# Altium PCB 宠物机器人&导购机器人.PcbDoc (part 10 of 14) (continued)
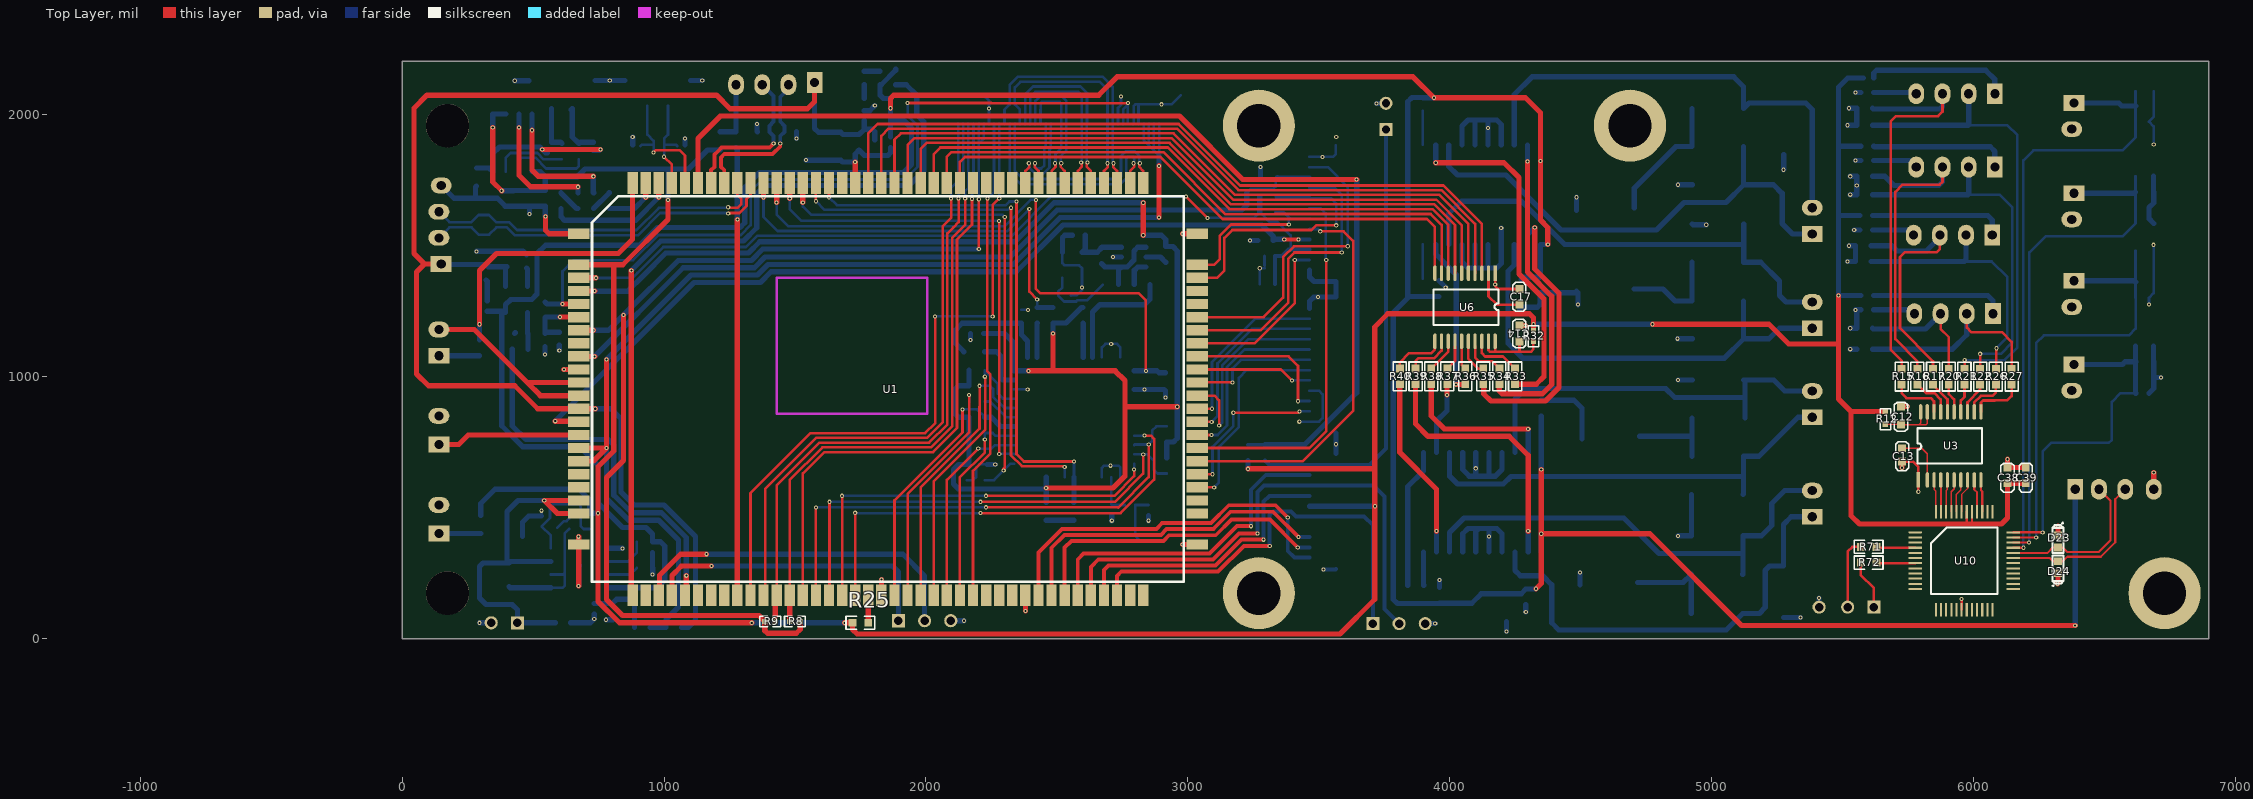
[diagram p0: Top Layer view]
## Free pads (board coordinates) (continued)
1(-1216.03,-383.11) 1(-1216.03,-383.11) 1(-1216.03,-383.11) 1(-1216.03,-383.11) 1(-1216.03,-383.11) 1(-1216.02,-384.24) 1(-1216.02,-384.24) 1(-1216.02,-384.24) 1(-1216.02,-384.24) 1(-1216.02,-384.24) 1(-1216.02,-384.24) 1(-1216.02,-385.07) 1(-1216.02,-385.07) 1(-1216.02,-385.07) 1(-1216.02,-383.39) 1(-1216.02,-383.39) 1(-1216.02,-383.39) 1(-1216.02,-383.39) 1(-1216.02,-383.39) 1(-1216.02,-383.39) 1(-1216.02,-383.1) 1(-1216.02,-383.1) 1(-1216.02,-383.1) 1(-1216.02,-383.1) 1(-1216.02,-383.1) 1(-1216.02,-383.1) 1(-1216.01,-383.86) 1(-1216.01,-383.86) 1(-1216.01,-383.86) 1(-1216,-383.39) 1(-1216,-383.39) 1(-1216,-383.39) 1(-1216,-383.39) 1(-1216,-383.39) 1(-1216,-383.39) 1(-1216,-383.09) 1(-1216,-383.09) 1(-1216,-383.09) 1(-1216,-383.09) 1(-1216,-383.09) 1(-1216,-383.09) 1(-1216,-384.21) 1(-1216,-384.21) 1(-1216,-384.21) 1(-1216,-384.21) 1(-1216,-384.21) 1(-1216,-384.21) 1(-1216,-384.2) 1(-1216,-384.2) 1(-1216,-384.2) 1(-1216,-384.03) 1(-1216,-384.03) 1(-1216,-384.03) 1(-1216,-384.03) 1(-1216,-384.03) 1(-1216,-384.03) 1(-1216,-384.02) 1(-1216,-384.02) 1(-1216,-384.02) 1(-1216,-384.02) 1(-1216,-384.02) 1(-1216,-384.02) 1(-1216,-383.93) 1(-1216,-383.93) 1(-1216,-383.93) 1(-1216,-385.04) 1(-1216,-385.04) 1(-1216,-385.04) 1(-1216,-384.24) 1(-1216,-384.24) 1(-1216,-384.24) 1(-1216,-384.24) 1(-1216,-384.24) 1(-1216,-384.24) 1(-1215.99,-384.04) 1(-1215.99,-384.04) 1(-1215.99,-384.04) 1(-1215.99,-384.04) 1(-1215.99,-384.04) 1(-1215.99,-384.04) 1(-1215.99,-383.38) 1(-1215.99,-383.38) 1(-1215.99,-383.38) 1(-1215.99,-383.38) 1(-1215.99,-383.38) 1(-1215.99,-383.38) 1(-1215.99,-383.3) 1(-1215.99,-383.3) 1(-1215.99,-383.3) 1(-1215.99,-383.3) 1(-1215.99,-383.3) 1(-1215.99,-383.3) 1(-1215.98,-383.3) 1(-1215.98,-383.3) 1(-1215.98,-383.3) 1(-1215.98,-383.89) 1(-1215.98,-383.89) 1(-1215.98,-383.89) 1(-1215.98,-383.89) 1(-1215.98,-383.89) 1(-1215.98,-383.89) 1(-1215.98,-384.16) 1(-1215.98,-384.16) 1(-1215.98,-384.16) 1(-1215.98,-384.16) 1(-1215.98,-384.16) 1(-1215.98,-384.16) 1(-1215.97,-384.24) 1(-1215.97,-384.24) 1(-1215.97,-384.24) 1(-1215.97,-384.24) 1(-1215.97,-384.24) 1(-1215.97,-384.24) 1(-1215.97,-384.27) 1(-1215.97,-384.27) 1(-1215.97,-384.27) 1(-1215.97,-383.27) 1(-1215.97,-383.27) 1(-1215.97,-383.27) 1(-1215.97,-383.93) 1(-1215.97,-383.93) 1(-1215.97,-383.93) 1(-1215.97,-383.93) 1(-1215.97,-383.93) 1(-1215.97,-383.93) 1(-1215.96,-385) 1(-1215.96,-385) 1(-1215.96,-385) 1(-1215.96,-385) 1(-1215.96,-385) 1(-1215.96,-385) 1(-1215.96,-384.2) 1(-1215.96,-384.2) 1(-1215.96,-384.2) 1(-1215.96,-384.2) 1(-1215.96,-384.2) 1(-1215.96,-384.2) 1(-1215.96,-384.17) 1(-1215.96,-384.17) 1(-1215.96,-384.17) 1(-1215.96,-384.17) 1(-1215.96,-384.17) 1(-1215.96,-384.17) 1(-1215.96,-384.11) 1(-1215.96,-384.11) 1(-1215.96,-384.11) 1(-1215.96,-383.37) 1(-1215.96,-383.37) 1(-1215.96,-383.37) 1(-1215.96,-383.37) 1(-1215.96,-383.37) 1(-1215.96,-383.37) 1(-1215.96,-383.32) 1(-1215.96,-383.32) 1(-1215.96,-383.32) 1(-1215.96,-384.99) 1(-1215.96,-384.99) 1(-1215.96,-384.99) 1(-1215.96,-384.99) 1(-1215.96,-384.99) 1(-1215.96,-384.99) 1(-1215.96,-384.95) 1(-1215.96,-384.95) 1(-1215.96,-384.95) 1(-1215.96,-384.95) 1(-1215.96,-384.95) 1(-1215.96,-384.95) 1(-1215.96,-384.95) 1(-1215.96,-384.95) 1(-1215.96,-384.95) 1(-1215.96,-384.95) 1(-1215.96,-384.95) 1(-1215.96,-384.95) 1(-1215.96,-384.88) 1(-1215.96,-384.88) 1(-1215.96,-384.88) 1(-1215.96,-384.88) 1(-1215.96,-384.88) 1(-1215.96,-384.88) 1(-1215.96,-384.84) 1(-1215.96,-384.84) 1(-1215.96,-384.84) 1(-1215.96,-384.84) 1(-1215.96,-384.84) 1(-1215.96,-384.84) 1(-1215.96,-383.29) 1(-1215.96,-383.29) 1(-1215.96,-383.29) 1(-1215.96,-383.29) 1(-1215.96,-383.29) 1(-1215.96,-383.29) 1(-1215.96,-383.28) 1(-1215.96,-383.28) 1(-1215.96,-383.28) 1(-1215.96,-383.28) 1(-1215.96,-383.28) 1(-1215.96,-383.28) 1(-1215.95,-383.41) 1(-1215.95,-383.41) 1(-1215.95,-383.41) 1(-1215.95,-383.41) 1(-1215.95,-383.41) 1(-1215.95,-383.41) 1(-1215.95,-383.86) 1(-1215.95,-383.86) 1(-1215.95,-383.86) 1(-1215.95,-383.86) 1(-1215.95,-383.86) 1(-1215.95,-383.86) 1(-1215.95,-383.82) 1(-1215.95,-383.82) 1(-1215.95,-383.82) 1(-1215.95,-383.82) 1(-1215.95,-383.82) 1(-1215.95,-383.82) 1(-1215.94,-383.39) 1(-1215.94,-383.39) 1(-1215.94,-383.39) 1(-1215.94,-383.39) 1(-1215.94,-383.39) 1(-1215.94,-383.39) 1(-1215.94,-384.83) 1(-1215.94,-384.83) 1(-1215.94,-384.83) 1(-1215.94,-384.83) 1(-1215.94,-384.83) 1(-1215.94,-384.83) 1(-1215.94,-383.24) 1(-1215.94,-383.24) 1(-1215.94,-383.24) 1(-1215.94,-384.24) 1(-1215.94,-384.24) 1(-1215.94,-384.24) 1(-1215.94,-384.24) 1(-1215.94,-384.24) 1(-1215.94,-384.24) 1(-1215.94,-383.34) 1(-1215.94,-383.34) 1(-1215.94,-383.34) 1(-1215.94,-384.04) 1(-1215.94,-384.04) 1(-1215.94,-384.04) 1(-1215.94,-384) 1(-1215.94,-384) 1(-1215.94,-384) 1(-1215.94,-384) 1(-1215.94,-384) 1(-1215.94,-384) 1(-1215.94,-384) 1(-1215.94,-384) 1(-1215.94,-384) 1(-1215.94,-384) 1(-1215.94,-384) 1(-1215.94,-384) 1(-1215.94,-383.96) 1(-1215.94,-383.96) 1(-1215.94,-383.96) 1(-1215.94,-383.96) 1(-1215.94,-383.96) 1(-1215.94,-383.96) 1(-1215.94,-383.92) 1(-1215.94,-383.92) 1(-1215.94,-383.92) 1(-1215.94,-383.28) 1(-1215.94,-383.28) 1(-1215.94,-383.28) 1(-1215.94,-383.28) 1(-1215.94,-383.28) 1(-1215.94,-383.28) 1(-1215.94,-383.25) 1(-1215.94,-383.25) 1(-1215.94,-383.25) 1(-1215.94,-383.25) 1(-1215.94,-383.25) 1(-1215.94,-383.25) 1(-1215.93,-383.31) 1(-1215.93,-383.31) 1(-1215.93,-383.31) 1(-1215.93,-383.31) 1(-1215.93,-383.31) 1(-1215.93,-383.31) 1(-1215.92,-383.29) 1(-1215.92,-383.29) 1(-1215.92,-383.29) 1(-1215.92,-383.29) 1(-1215.92,-383.29) 1(-1215.92,-383.29) 1(-1215.92,-384.83) 1(-1215.92,-384.83) 1(-1215.92,-384.83) 1(-1215.92,-384.83) 1(-1215.92,-384.83) 1(-1215.92,-384.83) 1(-1215.92,-384.95) 1(-1215.92,-384.95) 1(-1215.92,-384.95) 1(-1215.92,-384.95) 1(-1215.92,-384.95) 1(-1215.92,-384.95) 1(-1215.92,-384.88) 1(-1215.92,-384.88) 1(-1215.92,-384.88) 1(-1215.92,-385) 1(-1215.92,-385) 1(-1215.92,-385) 1(-1215.92,-384.95) 1(-1215.92,-384.95) 1(-1215.92,-384.95) 1(-1215.92,-384.95) 1(-1215.92,-384.95) 1(-1215.92,-384.95) 1(-1215.92,-384.95) 1(-1215.92,-384.95) 1(-1215.92,-384.95) 1(-1215.92,-384.95) 1(-1215.92,-384.95) 1(-1215.92,-384.95) 1(-1215.92,-383.34) 1(-1215.92,-383.34) 1(-1215.92,-383.34) 1(-1215.92,-383.34) 1(-1215.92,-383.34) 1(-1215.92,-383.34) 1(-1215.92,-383.34) 1(-1215.92,-383.34) 1(-1215.92,-383.34) 1(-1215.91,-384.2) 1(-1215.91,-384.2) 1(-1215.91,-384.2) 1(-1215.91,-384.2) 1(-1215.91,-384.2) 1(-1215.91,-384.2) 1(-1215.91,-384.27) 1(-1215.91,-384.27) 1(-1215.91,-384.27) 1(-1215.91,-384.11) 1(-1215.91,-384.11) 1(-1215.91,-384.11) 1(-1215.91,-384.11) 1(-1215.91,-384.11) 1(-1215.91,-384.11) 1(-1215.9,-384) 1(-1215.9,-384) 1(-1215.9,-384) 1(-1215.9,-384) 1(-1215.9,-384) 1(-1215.9,-384) 1(-1215.9,-383.95) 1(-1215.9,-383.95) 1(-1215.9,-383.95) 1(-1215.9,-383.95) 1(-1215.9,-383.95) 1(-1215.9,-383.95) 1(-1215.9,-384.83) 1(-1215.9,-384.83) 1(-1215.9,-384.83) 1(-1215.9,-384.83) 1(-1215.9,-384.83) 1(-1215.9,-384.83) 1(-1215.9,-384.12) 1(-1215.9,-384.12) 1(-1215.9,-384.12) 1(-1215.9,-384.12) 1(-1215.9,-384.12) 1(-1215.9,-384.12) 1(-1215.9,-384.04) 1(-1215.9,-384.04) 1(-1215.9,-384.04) 1(-1215.9,-384.04) 1(-1215.9,-384.04) 1(-1215.9,-384.04) 1(-1215.89,-384.18) 1(-1215.89,-384.18) 1(-1215.89,-384.18) 1(-1215.89,-383.14) 1(-1215.89,-383.14) 1(-1215.89,-383.14) 1(-1215.89,-384) 1(-1215.89,-384) 1(-1215.89,-384) 1(-1215.89,-384) 1(-1215.89,-384) 1(-1215.89,-384) 1(-1215.89,-383.85) 1(-1215.89,-383.85) 1(-1215.89,-383.85) 1(-1215.89,-383.85) 1(-1215.89,-383.85) 1(-1215.89,-383.85) 1(-1215.89,-384.88) 1(-1215.89,-384.88) 1(-1215.89,-384.88) 1(-1215.89,-384.84) 1(-1215.89,-384.84) 1(-1215.89,-384.84) 1(-1215.89,-384.84) 1(-1215.89,-384.84) 1(-1215.89,-384.84) 1(-1215.87,-383.99) 1(-1215.87,-383.99) 1(-1215.87,-383.99) 1(-1215.87,-383.99) 1(-1215.87,-383.99) 1(-1215.87,-383.99) 1(-1215.87,-383.84) 1(-1215.87,-383.84) 1(-1215.87,-383.84) 1(-1215.87,-383.84) 1(-1215.87,-383.84) 1(-1215.87,-383.84) 1(-1215.87,-384.06) 1(-1215.87,-384.06) 1(-1215.87,-384.06) 1(-1215.87,-384.04) 1(-1215.87,-384.04) 1(-1215.87,-384.04) 1(-1215.87,-384.04) 1(-1215.87,-384.04) 1(-1215.87,-384.04) 1(-1215.86,-383.14) 1(-1215.86,-383.14) 1(-1215.86,-383.14) 1(-1215.86,-383.14) 1(-1215.86,-383.14) 1(-1215.86,-383.14) 1(-1215.86,-383.98) 1(-1215.86,-383.98) 1(-1215.86,-383.98) 1(-1215.86,-383.98) 1(-1215.86,-383.98) 1(-1215.86,-383.98) 1(-1215.86,-383.83) 1(-1215.86,-383.83) 1(-1215.86,-383.83) 1(-1215.86,-383.83) 1(-1215.86,-383.83) 1(-1215.86,-383.83) 1(-1215.86,-383.34) 1(-1215.86,-383.34) 1(-1215.86,-383.34) 1(-1215.85,-384.46) 1(-1215.85,-384.46) 1(-1215.85,-384.46) 1(-1215.85,-384.46) 1(-1215.85,-384.46) 1(-1215.85,-384.46) 1(-1215.85,-384.44) 1(-1215.85,-384.44) 1(-1215.85,-384.44) 1(-1215.85,-383.14) 1(-1215.85,-383.14) 1(-1215.85,-383.14) 1(-1215.85,-384.18) 1(-1215.85,-384.18) 1(-1215.85,-384.18) 1(-1215.85,-384.18) 1(-1215.85,-384.18) 1(-1215.85,-384.18) 1(-1215.85,-384.04) 1(-1215.85,-384.04) 1(-1215.85,-384.04) 1(-1215.85,-384.04) 1(-1215.85,-384.04) 1(-1215.85,-384.04) 1(-1215.84,-384.47) 1(-1215.84,-384.47) 1(-1215.84,-384.47) 1(-1215.84,-384.47) 1(-1215.84,-384.47) 1(-1215.84,-384.47) 1(-1215.84,-383.26) 1(-1215.84,-383.26) 1(-1215.84,-383.26) 1(-1215.84,-383.26) 1(-1215.84,-383.26) 1(-1215.84,-383.26) 1(-1215.84,-383.39) 1(-1215.84,-383.39) 1(-1215.84,-383.39) 1(-1215.84,-383.39) 1(-1215.84,-383.39) 1(-1215.84,-383.39) 1(-1215.84,-383.98) 1(-1215.84,-383.98) 1(-1215.84,-383.98) 1(-1215.84,-383.98) 1(-1215.84,-383.98) 1(-1215.84,-383.98) 1(-1215.84,-383.83) 1(-1215.84,-383.83) 1(-1215.84,-383.83) 1(-1215.84,-383.83) 1(-1215.84,-383.83) 1(-1215.84,-383.83) 1(-1215.84,-383.26) 1(-1215.84,-383.26) 1(-1215.84,-383.26) 1(-1215.84,-383.26) 1(-1215.84,-383.26) 1(-1215.84,-383.26) 1(-1215.83,-384.83) 1(-1215.83,-384.83) 1(-1215.83,-384.83) 1(-1215.83,-384.79) 1(-1215.83,-384.79) 1(-1215.83,-384.79) 1(-1215.83,-384.76) 1(-1215.83,-384.76) 1(-1215.83,-384.76) 1(-1215.83,-384.72) 1(-1215.83,-384.72) 1(-1215.83,-384.72) 1(-1215.83,-384.72) 1(-1215.83,-384.72) 1(-1215.83,-384.72) 1(-1215.83,-384.72) 1(-1215.83,-384.72) 1(-1215.83,-384.72) 1(-1215.83,-384.47) 1(-1215.83,-384.47) 1(-1215.83,-384.47) 1(-1215.83,-384.47) 1(-1215.83,-384.47) 1(-1215.83,-384.47) 1(-1215.83,-383.41) 1(-1215.83,-383.41) 1(-1215.83,-383.41) 1(-1215.83,-383.41) 1(-1215.83,-383.41) 1(-1215.83,-383.41) 1(-1215.83,-384.17) 1(-1215.83,-384.17) 1(-1215.83,-384.17) 1(-1215.83,-384.17) 1(-1215.83,-384.17) 1(-1215.83,-384.17) 1(-1215.83,-384.03) 1(-1215.83,-384.03) 1(-1215.83,-384.03) 1(-1215.83,-384.03) 1(-1215.83,-384.03) 1(-1215.83,-384.03) 1(-1215.83,-384.54) 1(-1215.83,-384.54) 1(-1215.83,-384.54) 1(-1215.83,-383.38) 1(-1215.83,-383.38) 1(-1215.83,-383.38) 1(-1215.83,-383.38) 1(-1215.83,-383.38) 1(-1215.83,-383.38) 1(-1215.83,-383.36) 1(-1215.83,-383.36) 1(-1215.83,-383.36) 1(-1215.83,-383.36) 1(-1215.83,-383.36) 1(-1215.83,-383.36) 1(-1215.83,-383.19) 1(-1215.83,-383.19) 1(-1215.83,-383.19) 1(-1215.83,-383.19) 1(-1215.83,-383.19) 1(-1215.83,-383.19) 1(-1215.83,-383.14) 1(-1215.83,-383.14) 1(-1215.83,-383.14) 1(-1215.83,-383.29) 1(-1215.83,-383.29) 1(-1215.83,-383.29) 1(-1215.83,-383.29) 1(-1215.83,-383.29) 1(-1215.83,-383.29) 1(-1215.82,-383.24) 1(-1215.82,-383.24) 1(-1215.82,-383.24) 1(-1215.82,-383.24) 1(-1215.82,-383.24) 1(-1215.82,-383.24) 1(-1215.82,-383.19) 1(-1215.82,-383.19) 1(-1215.82,-383.19) 1(-1215.82,-383.19) 1(-1215.82,-383.19) 1(-1215.82,-383.19) 1(-1215.82,-383.26) 1(-1215.82,-383.26) 1(-1215.82,-383.26) 1(-1215.82,-383.26) 1(-1215.82,-383.26) 1(-1215.82,-383.26) 1(-1215.82,-383.97) 1(-1215.82,-383.97) 1(-1215.82,-383.97) 1(-1215.82,-383.97) 1(-1215.82,-383.97) 1(-1215.82,-383.97) 1(-1215.82,-383.81) 1(-1215.82,-383.81) 1(-1215.82,-383.81) 1(-1215.82,-383.81) 1(-1215.82,-383.81) 1(-1215.82,-383.81) 1(-1215.82,-383.31) 1(-1215.82,-383.31) 1(-1215.82,-383.31) 1(-1215.82,-383.31) 1(-1215.82,-383.31) 1(-1215.82,-383.31) 1(-1215.82,-384.16) 1(-1215.82,-384.16) 1(-1215.82,-384.16) 1(-1215.82,-384.16) 1(-1215.82,-384.16) 1(-1215.82,-384.16) 1(-1215.82,-384.02) 1(-1215.82,-384.02) 1(-1215.82,-384.02) 1(-1215.82,-384.02) 1(-1215.82,-384.02) 1(-1215.82,-384.02) 1(-1215.82,-383.28) 1(-1215.82,-383.28) 1(-1215.82,-383.28) 1(-1215.82,-383.28) 1(-1215.82,-383.28) 1(-1215.82,-383.28) 1(-1215.82,-383.27) 1(-1215.82,-383.27) 1(-1215.82,-383.27) 1(-1215.82,-383.27) 1(-1215.82,-383.27) 1(-1215.82,-383.27) 1(-1215.81,-383.39) 1(-1215.81,-383.39) 1(-1215.81,-383.39) 1(-1215.81,-383.39) 1(-1215.81,-383.39) 1(-1215.81,-383.39) 1(-1215.81,-383.37) 1(-1215.81,-383.37) 1(-1215.81,-383.37) 1(-1215.81,-383.37) 1(-1215.81,-383.37) 1(-1215.81,-383.37) 1(-1215.81,-383.96) 1(-1215.81,-383.96) 1(-1215.81,-383.96) 1(-1215.81,-383.96) 1(-1215.81,-383.96) 1(-1215.81,-383.96) 1(-1215.81,-383.81) 1(-1215.81,-383.81) 1(-1215.81,-383.81) 1(-1215.81,-383.81) 1(-1215.81,-383.81) 1(-1215.81,-383.81) 1(-1215.81,-383.55) 1(-1215.81,-383.55) 1(-1215.81,-383.55) 1(-1215.81,-383.55) 1(-1215.81,-383.55) 1(-1215.81,-383.55) 1(-1215.81,-383.51) 1(-1215.81,-383.51) 1(-1215.81,-383.51) 1(-1215.81,-383.45) 1(-1215.81,-383.45) 1(-1215.81,-383.45) 1(-1215.81,-383.42) 1(-1215.81,-383.42) 1(-1215.81,-383.42) 1(-1215.81,-383.42) 1(-1215.81,-383.42) 1(-1215.81,-383.42) 1(-1215.8,-383.23) 1(-1215.8,-383.23) 1(-1215.8,-383.23) 1(-1215.8,-383.23) 1(-1215.8,-383.23) 1(-1215.8,-383.23) 1(-1215.8,-383.19) 1(-1215.8,-383.19) 1(-1215.8,-383.19) 1(-1215.8,-383.19) 1(-1215.8,-383.19) 1(-1215.8,-383.19) 1(-1215.8,-384.83) 1(-1215.8,-384.83) 1(-1215.8,-384.83) 1(-1215.8,-384.83) 1(-1215.8,-384.83) 1(-1215.8,-384.83) 1(-1215.8,-383.19) 1(-1215.8,-383.19) 1(-1215.8,-383.19) 1(-1215.8,-383.19) 1(-1215.8,-383.19) 1(-1215.8,-383.19) 1(-1215.8,-383.14) 1(-1215.8,-383.14) 1(-1215.8,-383.14) 1(-1215.8,-384.14) 1(-1215.8,-384.14) 1(-1215.8,-384.14) 1(-1215.8,-384.14) 1(-1215.8,-384.14) 1(-1215.8,-384.14) 1(-1215.8,-384.02) 1(-1215.8,-384.02) 1(-1215.8,-384.02) 1(-1215.8,-384.02) 1(-1215.8,-384.02) 1(-1215.8,-384.02) 1(-1215.8,-383.29) 1(-1215.8,-383.29) 1(-1215.8,-383.29) 1(-1215.8,-383.29) 1(-1215.8,-383.29) 1(-1215.8,-383.29) 1(-1215.8,-383.27) 1(-1215.8,-383.27) 1(-1215.8,-383.27) 1(-1215.8,-383.27) 1(-1215.8,-383.27) 1(-1215.8,-383.27) 1(-1215.79,-384.26) 1(-1215.79,-384.26) 1(-1215.79,-384.26) 1(-1215.79,-384.24) 1(-1215.79,-384.24) 1(-1215.79,-384.24) 1(-1215.79,-384.24) 1(-1215.79,-384.24) 1(-1215.79,-384.24) 1(-1215.79,-383.96) 1(-1215.79,-383.96) 1(-1215.79,-383.96) 1(-1215.79,-383.96) 1(-1215.79,-383.96) 1(-1215.79,-383.96) 1(-1215.79,-383.8) 1(-1215.79,-383.8) 1(-1215.79,-383.8) 1(-1215.79,-383.8) 1(-1215.79,-383.8) 1(-1215.79,-383.8) 1(-1215.79,-384.72) 1(-1215.79,-384.72) 1(-1215.79,-384.72) 1(-1215.79,-383.27) 1(-1215.79,-383.27) 1(-1215.79,-383.27) 1(-1215.79,-383.27) 1(-1215.79,-383.27) 1(-1215.79,-383.27) 1(-1215.79,-384.76) 1(-1215.79,-384.76) 1(-1215.79,-384.76) 1(-1215.79,-384.76) 1(-1215.79,-384.76) 1(-1215.79,-384.76) 1(-1215.79,-383.4) 1(-1215.79,-383.4) 1(-1215.79,-383.4) 1(-1215.79,-383.4) 1(-1215.79,-383.4) 1(-1215.79,-383.4) 1(-1215.78,-384.13) 1(-1215.78,-384.13) 1(-1215.78,-384.13) 1(-1215.78,-384.13) 1(-1215.78,-384.13) 1(-1215.78,-384.13) 1(-1215.78,-384.01) 1(-1215.78,-384.01) 1(-1215.78,-384.01) 1(-1215.78,-384.01) 1(-1215.78,-384.01) 1(-1215.78,-384.01) 1(-1215.78,-383.34) 1(-1215.78,-383.34) 1(-1215.78,-383.34) 1(-1215.78,-383.27) 1(-1215.78,-383.27) 1(-1215.78,-383.27) 1(-1215.78,-383.27) 1(-1215.78,-383.27) 1(-1215.78,-383.27) 1(-1215.78,-384.23) 1(-1215.78,-384.23) 1(-1215.78,-384.23) 1(-1215.78,-384.23) 1(-1215.78,-384.23) 1(-1215.78,-384.23) 1(-1215.78,-384.23) 1(-1215.78,-384.23) 1(-1215.78,-384.23) 1(-1215.78,-384.23) 1(-1215.78,-384.23) 1(-1215.78,-384.23) 1(-1215.78,-384.74) 1(-1215.78,-384.74) 1(-1215.78,-384.74) 1(-1215.78,-384.74) 1(-1215.78,-384.74) 1(-1215.78,-384.74) 1(-1215.78,-383.26) 1(-1215.78,-383.26) 1(-1215.78,-383.26) 1(-1215.78,-383.26) 1(-1215.78,-383.26) 1(-1215.78,-383.26) 1(-1215.78,-383.26) 1(-1215.78,-383.26) 1(-1215.78,-383.26) 1(-1215.78,-383.19) 1(-1215.78,-383.19) 1(-1215.78,-383.19) 1(-1215.78,-383.19) 1(-1215.78,-383.19) 1(-1215.78,-383.19) 1(-1215.78,-383.14) 1(-1215.78,-383.14) 1(-1215.78,-383.14) 1(-1215.78,-383.95) 1(-1215.78,-383.95) 1(-1215.78,-383.95) 1(-1215.78,-383.95) 1(-1215.78,-383.95) 1(-1215.78,-383.95) 1(-1215.78,-383.79) 1(-1215.78,-383.79) 1(-1215.78,-383.79) 1(-1215.78,-383.79) 1(-1215.78,-383.79) 1(-1215.78,-383.79) 1(-1215.78,-383.58) 1(-1215.78,-383.58) 1(-1215.78,-383.58) 1(-1215.78,-383.58) 1(-1215.78,-383.58) 1(-1215.78,-383.58) 1(-1215.78,-383.4) 1(-1215.78,-383.4) 1(-1215.78,-383.4) 1(-1215.78,-383.4) 1(-1215.78,-383.4) 1(-1215.78,-383.4) 1(-1215.78,-383.2) 1(-1215.78,-383.2) 1(-1215.78,-383.2) 1(-1215.77,-384.31) 1(-1215.77,-384.31) 1(-1215.77,-384.31) 1(-1215.77,-384.24) 1(-1215.77,-384.24) 1(-1215.77,-384.24) 1(-1215.77,-384.24) 1(-1215.77,-384.24) 1(-1215.77,-384.24) 1(-1215.77,-384.21) 1(-1215.77,-384.21) 1(-1215.77,-384.21) 1(-1215.77,-384.11) 1(-1215.77,-384.11) 1(-1215.77,-384.11) 1(-1215.77,-384.11) 1(-1215.77,-384.11) 1(-1215.77,-384.11) 1(-1215.77,-384) 1(-1215.77,-384) 1(-1215.77,-384) 1(-1215.77,-384) 1(-1215.77,-384) 1(-1215.77,-384) 1(-1215.77,-384.86) 1(-1215.77,-384.86) 1(-1215.77,-384.86) 1(-1215.77,-384.47) 1(-1215.77,-384.47) 1(-1215.77,-384.47) 1(-1215.77,-384.47) 1(-1215.77,-384.47) 1(-1215.77,-384.47) 1(-1215.76,-384.79) 1(-1215.76,-384.79) 1(-1215.76,-384.79) 1(-1215.76,-384.79) 1(-1215.76,-384.79) 1(-1215.76,-384.79) 1(-1215.76,-383.94) 1(-1215.76,-383.94) 1(-1215.76,-383.94) 1(-1215.76,-383.94) 1(-1215.76,-383.94) 1(-1215.76,-383.94) 1(-1215.76,-383.79) 1(-1215.76,-383.79) 1(-1215.76,-383.79) 1(-1215.76,-383.79) 1(-1215.76,-383.79) 1(-1215.76,-383.79) 1(-1215.76,-384.54) 1(-1215.76,-384.54) 1(-1215.76,-384.54) 1(-1215.76,-384.48) 1(-1215.76,-384.48) 1(-1215.76,-384.48) 1(-1215.76,-383.7) 1(-1215.76,-383.7) 1(-1215.76,-383.7) 1(-1215.76,-383.7) 1(-1215.76,-383.7) 1(-1215.76,-383.7) 1(-1215.75,-384.8) 1(-1215.75,-384.8) 1(-1215.75,-384.8) 1(-1215.75,-384.8) 1(-1215.75,-384.8) 1(-1215.75,-384.8) 1(-1215.75,-384.74) 1(-1215.75,-384.74) 1(-1215.75,-384.74) 1(-1215.75,-384.74) 1(-1215.75,-384.74) 1(-1215.75,-384.74) 1(-1215.75,-384.72) 1(-1215.75,-384.72) 1(-1215.75,-384.72) 1(-1215.75,-384.72) 1(-1215.75,-384.72) 1(-1215.75,-384.72) 1(-1215.75,-384.09) 1(-1215.75,-384.09) 1(-1215.75,-384.09) 1(-1215.75,-384.09) 1(-1215.75,-384.09) 1(-1215.75,-384.09) 1(-1215.75,-384) 1(-1215.75,-384) 1(-1215.75,-384) 1(-1215.75,-384) 1(-1215.75,-384) 1(-1215.75,-384) 1(-1215.75,-384.16) 1(-1215.75,-384.16) 1(-1215.75,-384.16) 1(-1215.75,-383.68) 1(-1215.75,-383.68) 1(-1215.75,-383.68) 1(-1215.75,-383.68) 1(-1215.75,-383.68) 1(-1215.75,-383.68) 1(-1215.75,-383.46) 1(-1215.75,-383.46) 1(-1215.75,-383.46) 1(-1215.75,-383.4) 1(-1215.75,-383.4) 1(-1215.75,-383.4) 1(-1215.75,-384.36) 1(-1215.75,-384.36) 1(-1215.75,-384.36) 1(-1215.75,-384.19) 1(-1215.75,-384.19) 1(-1215.75,-384.19) 1(-1215.75,-384.19) 1(-1215.75,-384.19) 1(-1215.75,-384.19) 1(-1215.75,-383.58) 1(-1215.75,-383.58) 1(-1215.75,-383.58) 1(-1215.75,-383.58) 1(-1215.75,-383.58) 1(-1215.75,-383.58) 1(-1215.75,-383.52) 1(-1215.75,-383.52) 1(-1215.75,-383.52) 1(-1215.75,-383.7) 1(-1215.75,-383.7) 1(-1215.75,-383.7) 1(-1215.75,-383.7) 1(-1215.75,-383.7) 1(-1215.75,-383.7) 1(-1215.75,-384.84) 1(-1215.75,-384.84) 1(-1215.75,-384.84) 1(-1215.75,-384.81) 1(-1215.75,-384.81) 1(-1215.75,-384.81) 1(-1215.75,-384.81) 1(-1215.75,-384.81) 1(-1215.75,-384.81) 1(-1215.75,-383.52) 1(-1215.75,-383.52) 1(-1215.75,-383.52) 1(-1215.75,-383.52) 1(-1215.75,-383.52) 1(-1215.75,-383.52) 1(-1215.74,-383.67) 1(-1215.74,-383.67) 1(-1215.74,-383.67) 1(-1215.74,-383.67) 1(-1215.74,-383.67) 1(-1215.74,-383.67) 1(-1215.74,-384.71) 1(-1215.74,-384.71) 1(-1215.74,-384.71) 1(-1215.74,-384.71) 1(-1215.74,-384.71) 1(-1215.74,-384.71) 1(-1215.74,-383.65) 1(-1215.74,-383.65) 1(-1215.74,-383.65) 1(-1215.74,-383.65) 1(-1215.74,-383.65) 1(-1215.74,-383.65) 1(-1215.74,-383.68) 1(-1215.74,-383.68) 1(-1215.74,-383.68) 1(-1215.74,-383.68) 1(-1215.74,-383.68) 1(-1215.74,-383.68) 1(-1215.74,-383.91) 1(-1215.74,-383.91) 1(-1215.74,-383.91) 1(-1215.74,-383.79) 1(-1215.74,-383.79) 1(-1215.74,-383.79) 1(-1215.74,-383.79) 1(-1215.74,-383.79) 1(-1215.74,-383.79) 1(-1215.73,-383.34) 1(-1215.73,-383.34) 1(-1215.73,-383.34) 1(-1215.73,-383.34) 1(-1215.73,-383.34) 1(-1215.73,-383.34) 1(-1215.73,-383.31) 1(-1215.73,-383.31) 1(-1215.73,-383.31) 1(-1215.73,-383.31) 1(-1215.73,-383.31) 1(-1215.73,-383.31) 1(-1215.73,-384.12) 1(-1215.73,-384.12) 1(-1215.73,-384.12) 1(-1215.73,-384.07) 1(-1215.73,-384.07) 1(-1215.73,-384.07) 1(-1215.73,-384) 1(-1215.73,-384) 1(-1215.73,-384) 1(-1215.73,-384) 1(-1215.73,-384) 1(-1215.73,-384) 1(-1215.73,-384.71) 1(-1215.73,-384.71) 1(-1215.73,-384.71) 1(-1215.72,-383.58) 1(-1215.72,-383.58) 1(-1215.72,-383.58) 1(-1215.72,-383.58) 1(-1215.72,-383.58) 1(-1215.72,-383.58) 1(-1215.72,-383.34) 1(-1215.72,-383.34) 1(-1215.72,-383.34) 1(-1215.72,-383.26) 1(-1215.72,-383.26) 1(-1215.72,-383.26) 1(-1215.72,-383.98) 1(-1215.72,-383.98) 1(-1215.72,-383.98) 1(-1215.72,-383.98) 1(-1215.72,-383.98) 1(-1215.72,-383.98) 1(-1215.72,-383.98) 1(-1215.72,-383.98) 1(-1215.72,-383.98) 1(-1215.72,-383.98) 1(-1215.72,-383.98) 1(-1215.72,-383.98) 1(-1215.72,-383.26) 1(-1215.72,-383.26) 1(-1215.72,-383.26) 1(-1215.72,-383.26) 1(-1215.72,-383.26) 1(-1215.72,-383.26) 1(-1215.72,-383.76) 1(-1215.72,-383.76) 1(-1215.72,-383.76) 1(-1215.72,-383.76) 1(-1215.72,-383.76) 1(-1215.72,-383.76) 1(-1215.71,-383.46) 1(-1215.71,-383.46) 1(-1215.71,-383.46) 1(-1215.71,-383.46) 1(-1215.71,-383.46) 1(-1215.71,-383.46) 1(-1215.71,-383.67) 1(-1215.71,-383.67) 1(-1215.71,-383.67) 1(-1215.71,-383.96) 1(-1215.71,-383.96) 1(-1215.71,-383.96) 1(-1215.71,-383.79) 1(-1215.71,-383.79) 1(-1215.71,-383.79) 1(-1215.71,-383.79) 1(-1215.71,-383.79) 1(-1215.71,-383.79) 1(-1215.71,-383.76) 1(-1215.71,-383.76) 1(-1215.71,-383.76) 1(-1215.7,-383.74) 1(-1215.7,-383.74) 1(-1215.7,-383.74) 1(-1215.7,-383.74) 1(-1215.7,-383.74) 1(-1215.7,-383.74) 1(-1215.7,-383.74) 1(-1215.7,-383.74) 1(-1215.7,-383.74) 1(-1215.7,-383.74) 1(-1215.7,-383.74) 1(-1215.7,-383.74) 1(-1215.7,-383.29) 1(-1215.7,-383.29) 1(-1215.7,-383.29) 1(-1215.7,-383.28) 1(-1215.7,-383.28) 1(-1215.7,-383.28) 1(-1215.7,-383.28) 1(-1215.7,-383.28) 1(-1215.7,-383.28) 1(-1215.7,-383.65) 1(-1215.7,-383.65) 1(-1215.7,-383.65) 1(-1215.7,-383.65) 1(-1215.7,-383.65) 1(-1215.7,-383.65) 1(-1215.7,-383.73) 1(-1215.7,-383.73) 1(-1215.7,-383.73) 1(-1215.7,-383.73) 1(-1215.7,-383.73) 1(-1215.7,-383.73) 1(-1215.7,-383.73) 1(-1215.7,-383.73) 1(-1215.7,-383.73) 1(-1215.7,-383.73) 1(-1215.7,-383.73) 1(-1215.7,-383.73) 1(-1215.69,-383.55) 1(-1215.69,-383.55) 1(-1215.69,-383.55) 1(-1215.69,-383.55) 1(-1215.69,-383.55) 1(-1215.69,-383.55) 1(-1215.69,-383.52) 1(-1215.69,-383.52) 1(-1215.69,-383.52) 1(-1215.69,-383.44) 1(-1215.69,-383.44) 1(-1215.69,-383.44) 1(-1215.69,-383.44) 1(-1215.69,-383.44) 1(-1215.69,-383.44) 1(-1215.69,-383.4) 1(-1215.69,-383.4) 1(-1215.69,-383.4) 1(-1215.69,-383.4) 1(-1215.69,-383.4) 1(-1215.69,-383.4) 1(-1215.69,-383.38) 1(-1215.69,-383.38) 1(-1215.69,-383.38) 1(-1215.69,-383.38) 1(-1215.69,-383.38) 1(-1215.69,-383.38) 1(-1215.69,-383.46) 1(-1215.69,-383.46) 1(-1215.69,-383.46) 1(-1215.69,-383.46) 1(-1215.69,-383.46) 1(-1215.69,-383.46) 1(-1215.69,-383.76) 1(-1215.69,-383.76) 1(-1215.69,-383.76) 1(-1215.69,-383.76) 1(-1215.69,-383.76) 1(-1215.69,-383.76) 1(-1215.69,-383.76) 1(-1215.69,-383.76) 1(-1215.69,-383.76) 1(-1215.69,-383.76) 1(-1215.69,-383.76) 1(-1215.69,-383.76) 1(-1215.67,-383.75) 1(-1215.67,-383.75) 1(-1215.67,-383.75) 1(-1215.67,-383.75) 1(-1215.67,-383.75) 1(-1215.67,-383.75) 1(-1215.67,-383.75) 1(-1215.67,-383.75) 1(-1215.67,-383.75) 1(-1215.67,-383.75) 1(-1215.67,-383.75) 1(-1215.67,-383.75) 1(-1215.67,-383.46) 1(-1215.67,-383.46) 1(-1215.67,-383.46) 1(-1215.67,-383.46) 1(-1215.67,-383.46) 1(-1215.67,-383.46) 1(-1215.66,-383.56) 1(-1215.66,-383.56) 1(-1215.66,-383.56) 1(-1215.65,-383.56) 1(-1215.65,-383.56) 1(-1215.65,-383.56) 1(-1215.65,-383.56) 1(-1215.65,-383.56) 1(-1215.65,-383.56) 1(-1215.65,-383.52) 1(-1215.65,-383.52) 1(-1215.65,-383.52) 1(-1215.65,-383.45) 1(-1215.65,-383.45) 1(-1215.65,-383.45) 1(-1215.65,-383.45) 1(-1215.65,-383.45) 1(-1215.65,-383.45) 1(-1215.65,-383.4) 1(-1215.65,-383.4) 1(-1215.65,-383.4) 1(-1215.65,-383.4) 1(-1215.65,-383.4) 1(-1215.65,-383.4) 1(-1215.65,-383.4) 1(-1215.65,-383.4) 1(-1215.65,-383.4) 1(-1215.65,-383.4) 1(-1215.65,-383.4) 1(-1215.65,-383.4) 1(-1215.65,-383.34) 1(-1215.65,-383.34) 1(-1215.65,-383.34) 1(-1215.61,-383.55) 1(-1215.61,-383.55) 1(-1215.61,-383.55) 1(-1215.61,-383.55) 1(-1215.61,-383.55) 1(-1215.61,-383.55) 1(-1215.61,-383.52) 1(-1215.61,-383.52) 1(-1215.61,-383.52) 1(-1215.61,-383.4) 1(-1215.61,-383.4) 1(-1215.61,-383.4) 1(-1215.6,-383.26) 1(-1215.6,-383.26) 1(-1215.6,-383.26) 1(-1215.6,-383.26) 1(-1215.6,-383.26) 1(-1215.6,-383.26) 1(-1215.6,-383.23) 1(-1215.6,-383.23) 1(-1215.6,-383.23) 1(-1215.6,-383.34) 1(-1215.6,-383.34) 1(-1215.6,-383.34) 1(-1215.6,-383.34) 1(-1215.6,-383.34) 1(-1215.6,-383.34) 1(-1215.6,-383.26) 1(-1215.6,-383.26) 1(-1215.6,-383.26) 1(-1215.6,-383.26) 1(-1215.6,-383.26) 1(-1215.6,-383.26) 1(-1215.6,-383.34) 1(-1215.6,-383.34) 1(-1215.6,-383.34) 1(-1215.6,-383.34) 1(-1215.6,-383.34) 1(-1215.6,-383.34) 1(-1215.6,-384.56) 1(-1215.6,-384.56) 1(-1215.6,-384.56) 1(-1215.6,-384.28) 1(-1215.6,-384.28) 1(-1215.6,-384.28) 1(-1215.6,-384.28) 1(-1215.6,-384.28) 1(-1215.6,-384.28) 1(-1215.59,-384.01) 1(-1215.59,-384.01) 1(-1215.59,-384.01) 1(-1215.59,-383.85) 1(-1215.59,-383.85) 1(-1215.59,-383.85) 1(-1215.59,-383.85) 1(-1215.59,-383.85) 1(-1215.59,-383.85) 1(-1215.59,-383.4) 1(-1215.59,-383.4) 1(-1215.59,-383.4) 1(-1215.59,-383.4) 1(-1215.59,-383.4) 1(-1215.59,-383.4) 1(-1215.57,-384.51) 1(-1215.57,-384.51) 1(-1215.57,-384.51) 1(-1215.57,-384.13) 1(-1215.57,-384.13) 1(-1215.57,-384.13) 1(-1215.57,-384.13) 1(-1215.57,-384.13) 1(-1215.57,-384.13) 1(-1215.55,-383.61) 1(-1215.55,-383.61) 1(-1215.55,-383.61) 1(-1215.55,-383.61) 1(-1215.55,-383.61) 1(-1215.55,-383.61) 1(-1215.55,-383.4) 1(-1215.55,-383.4) 1(-1215.55,-383.4) 1(-1215.55,-383.4) 1(-1215.55,-383.4) 1(-1215.55,-383.4) 1(-1215.55,-384.46) 1(-1215.55,-384.46) 1(-1215.55,-384.46) 1(-1215.55,-383.87) 1(-1215.55,-383.87) 1(-1215.55,-383.87) 1(-1215.55,-383.87) 1(-1215.55,-383.87) 1(-1215.55,-383.87) 1(-1215.55,-383.4) 1(-1215.55,-383.4) 1(-1215.55,-383.4) 1(-1215.55,-383.4) 1(-1215.55,-383.4) 1(-1215.55,-383.4) 1(-1215.54,-383.5) 1(-1215.54,-383.5) 1(-1215.54,-383.5) 1(-1215.54,-383.5) 1(-1215.54,-383.5) 1(-1215.54,-383.5) 1(-1215.54,-383.46) 1(-1215.54,-383.46) 1(-1215.54,-383.46) 1(-1215.54,-383.46) 1(-1215.54,-383.46) 1(-1215.54,-383.46) 1(-1215.54,-383.41) 1(-1215.54,-383.41) 1(-1215.54,-383.41) 1(-1215.54,-383.41) 1(-1215.54,-383.41) 1(-1215.54,-383.41) 1(-1215.53,-384.41) 1(-1215.53,-384.41) 1(-1215.53,-384.41) 1(-1215.53,-383.82) 1(-1215.53,-383.82) 1(-1215.53,-383.82) 1(-1215.53,-383.82) 1(-1215.53,-383.82) 1(-1215.53,-383.82) 1(-1215.52,-383.61) 1(-1215.52,-383.61) 1(-1215.52,-383.61) 1(-1215.52,-383.51) 1(-1215.52,-383.51) 1(-1215.52,-383.51) 1(-1215.5,-383.46) 1(-1215.5,-383.46) 1(-1215.5,-383.46) 1(-1215.5,-383.41) 1(-1215.5,-383.41) 1(-1215.5,-383.41) 1(-1215.5,-383.41) 1(-1215.5,-383.41) 1(-1215.5,-383.41) 1(-1215.49,-383.33) 1(-1215.49,-383.33) 1(-1215.49,-383.33) 1(-1215.49,-383.4) 1(-1215.49,-383.4) 1(-1215.49,-383.4) 1(-1215.49,-383.4) 1(-1215.49,-383.4) 1(-1215.49,-383.4) 1(-1215.49,-383.33) 1(-1215.49,-383.33) 1(-1215.49,-383.33) 1(-1215.49,-383.33) 1(-1215.49,-383.33) 1(-1215.49,-383.33)
  round 0.06 on Mech3: 1(-1218.32,-384.47) 1(-1218.32,-384.47) 1(-1218.32,-384.47) 1(-1218.32,-384.26) 1(-1218.32,-384.26) 1(-1218.32,-384.26)
  round 0.06 on Mech2: 1(-1218.32,-384.47) 1(-1218.32,-384.47) 1(-1218.32,-384.47) 1(-1218.32,-384.26) 1(-1218.32,-384.26) 1(-1218.32,-384.26)
  round 0.06 on Mech10: 1(-1218.32,-384.47) 1(-1218.32,-384.47) 1(-1218.32,-384.47) 1(-1218.32,-384.26) 1(-1218.32,-384.26) 1(-1218.32,-384.26)